# Altium PCB 拼板.PcbDoc (part 1 of 2) (continued)
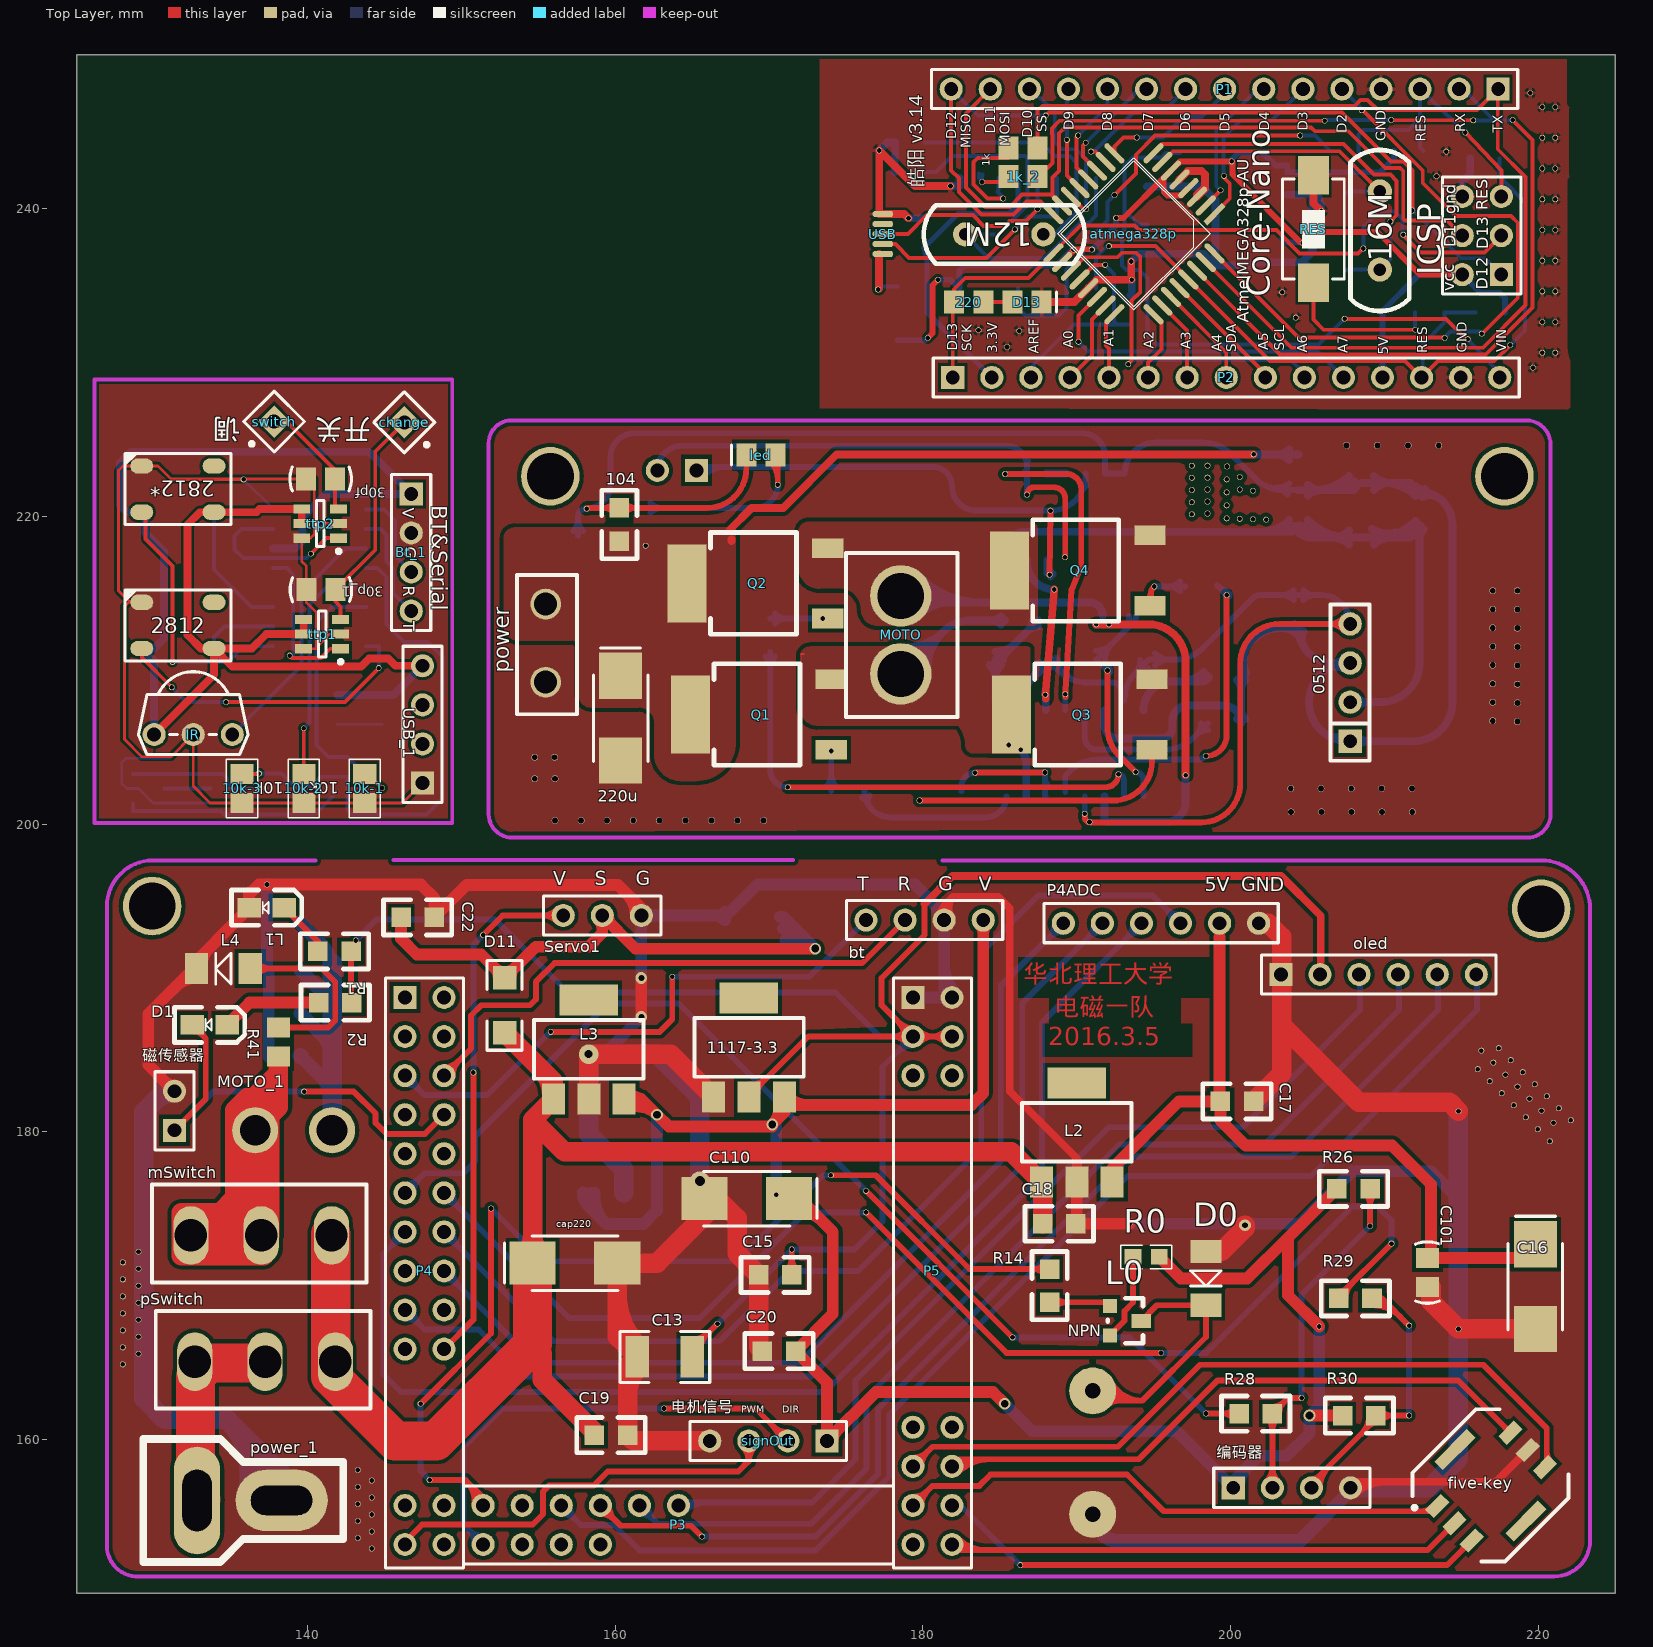
[diagram p0: Top Layer view]
## Footprints (in the part's own frame and the unit in brackets; to place one, negate y for a bottom-side part, rotate by r counter-clockwise, add the part's x,y. Pads: shape width x height; smd on the part's side, far side on the other; paste and mask are expansions set on the pad) (continued)
PNP [mil]
  rect 36x50 smd: 1(0,0)
  rect 36x36 smd: 2(-38,-80) 3(37,-80)
  silkscreen extent -58,-85 57,5
POWER2SS [mm]
  round 4 hole 3: 1(0,0.127) 2(5.08,0.127)
  silkscreen extent -2.79,-3.43 7.87,3.81
SIP4 [mil]
  rect 60x60 hole 35: 1(0,0)
  round 60 hole 35: 2(100,0) 3(200,0) 4(300,0)
  silkscreen extent -50,-50 350,51
SO-14 [mil]
  oval 80x24 smd: 1(-5,0) 2(-5,-50) 3(-5,-100) 4(-5,-150) 5(-5,-200) 6(-5,-250) 7(-5,-300) 8(215,-300) 9(215,-250) 10(215,-200) 11(215,-150) 12(215,-100) 13(215,-50) 14(215,0)
  silkscreen extent 55,-325 155,25
SO-16 [mil]
  oval 80x24 smd: 1(0,0) 2(0,-50) 3(0,-100) 4(0,-150) 5(0,-200) 6(0,-250) 7(0,-300) 8(0,-350) 9(220,-350) 10(220,-300) 11(220,-250) 12(220,-200) 13(220,-150) 14(220,-100) 15(220,-50) 16(220,0)
  silkscreen extent 60,-375 160,25
sop16(2003) [mm] "Small Outline; 16 Leads; Body Width 5.6 mm;"
  rect 0.6x2.2 smd: 1(-4.445,-3.6) 2(-3.175,-3.6) 3(-1.905,-3.6) 4(-0.635,-3.6) 5(0.635,-3.6) 6(1.905,-3.6) 7(3.175,-3.6) 8(4.445,-3.6) 9(4.445,3.6) 10(3.175,3.6) 11(1.905,3.6) 12(0.635,3.6) 13(-0.635,3.6) 14(-1.905,3.6) 15(-3.175,3.6) 16(-4.445,3.6)
  silkscreen extent -5.73,-3.72 5.73,2.1
SOP-16 [mil]
  oval 80x24 smd: 1(0,0) 2(0,-50) 3(0,-100) 4(0,-150) 5(0,-200) 6(0,-250) 7(0,-300) 8(0,-350) 9(238.5,-350) 10(238.5,-300) 11(238.5,-250) 12(238.5,-200) 13(238.5,-150) 14(238.5,-100) 15(238.5,-50) 16(238.5,0)
  silkscreen extent 44,-375 194,25
SOT23-6 [mm] "Max4173"
  rect 1.1x0.6 smd: 1(-1.2,0.95) 2(-1.2,0) 3(-1.2,-0.95) 4(1.2,-0.95) 5(1.2,0) 6(1.2,0.95)
  silkscreen extent -1.33,-1.5 0.25,1.92, body extent -0.87,-1.5 0.87,1.5, height 1.45
SOT223 [mil]
  rect 59x79 smd: 1(0,0) 2(90.55,0) 3(181.1,0)
  rect 150x79 smd: 4(89.88,253.54)
  silkscreen extent -49,52 231,202
SOT-23 [mil]
  rect 36x36 smd: 1(0,0) 2(75,0)
  rect 36x50 smd: 3(38,80)
  silkscreen extent -20,-5 95,85
SW_PB2_A1 [mm]
  rect 2x2.5 smd: 1(0,3.556) 2(0,-3.444)
  silkscreen extent -2,-3.19 2,3.31, body extent -2.03,-3.18 2.03,3.3, height 1.2
T_head [mm]
  rrect100% 4x6 hole 1.905 slot 4 at 90 deg: 1(0,0)
  rrect100% 7x3 hole 1.905 slot 4 at 0 deg: 2(0,5.5)
  silkscreen extent -4,-4 4,9, body extent -3.72,-3.47 3.58,8.53, height 14.1
TO-252#1 [mil]
  rect 50x80 smd: 1(0,0) 3(180,0)
  rect 200x100 smd: 2(90,360)
  silkscreen extent -40,80 220,300
TO-252#2 [mil]
  rect 55.12x78.74 smd: 1(0,0) 3(182,0)
  rect 275.59x354.33 smd: 2(90.55,287.4)
  silkscreen extent -68,60 246,296
TQFP32 [mm]
  rect 1.7x0.37 smd: 1(-3.781,2.422)
  oval 1.7x0.37 smd: 2(-3.781,1.622) 3(-3.781,0.822) 4(-3.781,0.022) 5(-3.781,-0.778) 6(-3.781,-1.578) 7(-3.781,-2.378) 8(-3.781,-3.178) 17(5.419,-3.178) 18(5.419,-2.378) 19(5.419,-1.578) 20(5.419,-0.778) 21(5.419,0.022) 22(5.419,0.822) 23(5.419,1.622) 24(5.419,2.422)
  oval 0.37x1.7 smd: 9(-1.981,-4.978) 10(-1.181,-4.978) 11(-0.381,-4.978) 12(0.419,-4.978) 13(1.219,-4.978) 14(2.019,-4.978) 15(2.819,-4.978) 16(3.619,-4.978) 25(3.619,4.222) 26(2.819,4.222) 27(2.019,4.222) 28(1.219,4.222) 29(0.419,4.222) 30(-0.381,4.222) 31(-1.181,4.222) 32(-1.981,4.222)
  silkscreen extent -2.68,-3.88 4.32,3.12
USB_MICRO [mm]
  oct 0.4x1.35 smd: 1(-1.325,2.54) 2(-0.675,2.54) 3(-0.025,2.54) 4(0.625,2.54) 5(1.275,2.54)
VIA_2_POWER [mm]
  round 2 hole 1.5: 1(-2.515,0.076) 2(2.565,0.076)
  silkscreen extent -4.6,-1.96 4.44,1.93
WS2812 [mm]
  oval 1.5x1 smd: 1(-10,5) 2(-10,2) 3(-5.3,2) 4(-5.3,5)
  silkscreen extent -11.1,1.2 -4.2,5.8
XTAL [mil]
  round 62 hole 32: 1(5,0) 2(205,0)
  silkscreen extent -101,-75 311,75
五向按键 [mm]
  rect 0.8x1.45 smd: 1(-3.17,-0.889) 2(-1.585,-0.889) 3(0,-0.889) 4(0,5.842) 5(-1.585,5.842) 6(-3.17,5.842)
  rect 0.8x3 smd: 7(-4.953,2.515) 8(1.6,2.489)
  silkscreen extent -5.84,-2.13 2.49,6.59
开关1 [mil]
  oval 90x150 hole 83: 1(-10,-120) 2(170,-120) 3(350,-120)
  silkscreen extent -100,-250 450,0

## Part data
0.01uf 0.1uf 0.1uf_1 0.1uf_2 0.1uf_3 4.7uf 22p 22p_2 30p 30p2 30pf: "Capacitor"
1k 1k_2 1k_3 10K 10k-1 10K_2 220: "Resistor"
2.2uf 10uf 10uf_1 10uf_2 C16: "Polarized Capacitor (Radial)"
10k-2 10k-3: library part Res2, "Resistor"
30p_1: library part Cap, "Capacitor"
100u C110: "Polarized Capacitor (Axial)"
104 105 a0.1u b0.1u c0.1u: library part C
2812 2812* 2812** 2812***: library part BRIDGE2, "Diode Bri"
Bt_1: library part "Header 4", "Header, 4-Pin"
C13: "Polarized Capacitor"
C14 C15 C22: library part Cap, "C"
C17 C18: "C"
C21: library part "Cap Pol1", "Polarized Capacitor (Radial)"
C101: "无?"
D0: "二极"
D1: "Typical INFRARED"
D11: library part "Diode BAT18", "Low-Loss RF Switchi"
D13: "发?"
DIODE: "二?"
ICSP: "Header, 3-Pin, Dual row"
IR: "Header, 3-Pin"
N5819 N5819*: library part "Diode 1N4934", "1 Amp Fast Recove"
oled: "Header, 6-Pin"
P1 P2: "Header, 15-Pin"
P4ADC 磁传感器: "接插件"
Q1 Q2 Q3 Q4: library part NMOS-2, "N-Channel Power MOSFET"
q1_1 q2_1 q3_1: "低功耗M"
R0: "贴片"
R2: library part Res2
RES: "΢?"
Servo1: library part "Header 3", "Header, 3-Pin"
SignIN1: "Header, 2-Pin"
STC15W202S: "Header, 8-Pin, Dual r"
ttp1 ttp2: library part "Header 3X2", "Header, 3-Pin, Dual row"
USB: "MicroUSB½Ó¿"
USB_1: "Header, 4-Pin"

## Free pads (board coordinates)
  round 0.381 hole 0.305: 0(134.696,207.924) 0(161.976,218.084) 0(220.269,230.632) 0(221.107,230.632) 1(131.166,208.89) 1(170.561,222.047) 1(220.269,232.629) 1(221.107,232.629) 2(158.14,220.497) 2(220.269,234.626) 2(221.107,234.626) 3(180.975,235.382) 3(220.269,236.623) 3(221.107,236.623) 4(127.991,171.501) 4(129.007,172.187) 4(143.256,158.001) 4(144.17,157.315) 4(180.315,231.597) 4(216.072,184.065) 4(216.305,185.269) 4(217.437,185.43) 4(220.269,238.62) 4(221.107,238.62) 5(127.991,170.396) 5(129.007,171.082) 5(143.256,156.896) 5(144.17,156.21) 5(197.485,223.291) 5(198.501,223.298) 5(199.771,223.247) 5(201.498,224.028) 5(208.534,246.405) 5(216.853,183.284) 5(217.087,184.487) 5(218.218,184.649) 5(220.269,240.617) 5(221.107,240.617) 6(127.991,169.291) 6(129.007,169.977) 6(143.256,155.791) 6(144.17,155.105) 6(195.047,215.443) 6(197.485,220.924) 6(197.485,222.502) 6(198.501,220.962) 6(198.501,222.519) 6(199.746,222.402) 6(215.265,244.958) 6(217.635,182.503) 6(217.868,183.706) 6(219,183.868) 6(220.269,242.614) 6(221.107,242.614) 7(127.991,168.186) 7(129.007,168.872) 7(143.256,154.686) 7(144.17,154) 7(197.485,220.135) 7(197.485,221.713) 7(198.399,204.419) 7(198.501,220.183) 7(198.501,221.741) 7(199.746,221.558) 7(210.439,245.77) 7(218.416,181.721) 7(218.649,182.925) 7(219.781,183.086) 7(220.269,244.612) 7(221.107,244.612) 8(127.991,167.081) 8(129.007,167.767) 8(143.256,153.581) 8(144.17,152.895) 8(199.746,214.884) 8(199.746,220.713) 8(215.773,245.745) 8(219.197,180.94) 8(219.431,182.143) 8(220.269,246.609) 8(220.562,182.305) 8(221.107,246.609) 9(127.991,165.976) 9(129.007,166.662) 9(185.471,231.013) 9(193.904,244.627) 9(199.746,219.869) 9(219.978,180.159) 9(220.212,181.362) 9(221.343,181.524) 10(127.991,164.871) 10(129.007,165.557) 10(186.258,232.054) 10(187.935,203.352) 10(192.456,240.894) 10(200.601,222.555) 10(220.76,179.377) 10(220.993,180.581) 10(222.125,180.742) 11(183.388,203.327) 11(183.617,232.105) 11(193.345,229.895) 11(200.601,221.742) 11(204.521,244.754) 12(179.781,201.524) 12(201.456,221.666) 12(203.352,234.569) 12(207.416,232.842) 13(190.119,231.343) 13(191.999,209.982) 13(200.601,219.837) 13(204.241,232.918) 14(193.827,203.378) 14(201.456,219.812) 14(213.385,242.113) 14(215.417,231.521) 14(218.186,231.14) 15(192.71,203.225) 15(202.311,219.786) 15(214.02,243.713) 15(216.332,231.877) 15(218.338,245.77) 16(171.221,202.387) 16(213.919,231.597) 16(219.659,229.667) 17(173.482,213.36) 17(219.481,247.523) 18(192.1,212.979) 18(208.636,237.414) 19(197.079,203.175) 19(211.226,238.303) 21(190.83,200.127) 22(174.041,204.749) 23(190.525,200.66) 25(185.572,205.13) 26(186.36,204.826) 27(187.96,208.407) 29(191.262,212.979) 30(188.544,215.24) 31(189.255,208.432) 32(185.344,222.758) 33(188.239,216.205) 34(188.29,220.37) 35(186.766,221.412) 36(189.243,217.348)
  round 0.432 hole 0.381: 0(217.043,215.163) 5(217.043,213.955) 6(217.043,212.747) 7(217.043,211.538) 8(217.043,210.33) 9(217.043,209.122) 10(217.043,207.914) 11(217.043,206.705) 12(218.643,215.163) 13(218.643,213.948) 14(218.643,212.732) 15(218.643,211.517) 16(218.643,210.301) 17(218.643,209.086) 18(218.643,207.87) 19(218.643,206.654) 20(203.911,202.311) 21(205.88,202.311) 22(207.848,202.311) 23(209.817,202.311) 24(211.785,202.311) 25(203.937,200.787) 26(205.905,200.787) 27(207.874,200.787) 28(209.842,200.787) 29(211.811,200.787) 30(207.543,224.612) 31(209.542,224.612) 32(211.54,224.612) 33(213.538,224.612) 34(156.083,200.228) 35(157.778,200.228) 36(159.474,200.228) 37(161.169,200.228) 38(162.865,200.228) 39(164.56,200.228) 40(166.256,200.228) 41(167.951,200.228) 42(154.762,204.343) 43(156.058,204.343) 44(154.762,202.946) 45(156.083,202.946) 46(169.647,200.228)
  round 3.81 hole 3.048: ""(129.896,194.666) ""(155.778,222.606) ""(217.805,222.606) ""(220.193,194.488)

## Via types
v1: diameter 0.381, hole 0.305, Top Layer to Bottom Layer, 68 vias
v2: diameter 0.762, hole 0.508, Top Layer to Bottom Layer, 5 vias
v3: diameter 0.762, hole 0.381, Top Layer to Bottom Layer, 3 vias
v4: diameter 0.508, hole 0.305, Top Layer to Bottom Layer, 1 vias
v5: diameter 1.27, hole 0.635, Top Layer to Bottom Layer, 1 vias
v6: diameter 1.27, hole 0.508, Top Layer to Bottom Layer, 1 vias

## Nets (pads, with @x,y where several pads share a name; then routed paths per layer and width w, separated by ;. In a path a pad name is that pad's centre, name@x,y a point inside that pad or via, vN(x,y) a via of type N, cw(c..) or ccw(c..) an arc to the next point about the centre after c; other vN are vias at no path point)
3.3V: 0.01uf.2 ch340g.4 P2.2 | length 19.2
  Bottom Layer w0.33: P2.2@184.48,229.032 180.26,233.252 180.26,236.618 0.01uf.2@180.086,237.48 182.306,239.7 185.572,239.7 186.182,240.309 ch340g.4@186.182,242.004
A0: atmega328p.23 P2.4 | length 5.6
  Top Layer w0.254: P2.4@189.56,229.032 190.983,230.454 190.983,232.791 191.879,233.688 atmega328p.23@191.879,233.705
A1: atmega328p.24 P2.5 | length 4.4
  Top Layer w0.254: P2.5@192.1,229.032 192.1,230.911 191.897,231.115 191.897,232.592 atmega328p.24@192.445,233.139
A2: atmega328p.25 P2.6 | length 4.7
  Top Layer w0.254: P2.6@194.64,229.032 194.64,229.997 195.504,230.861 195.504,232.626 atmega328p.25@194.99,233.139
A3: atmega328p.26 P2.7 | length 5.3
  Top Layer w0.254: atmega328p.26@195.556,233.704 197.18,232.08 P2.7@197.18,229.032
A4: atmega328p.27 P2.8 | length 6.7
  Top Layer w0.254: atmega328p.27@196.122,234.271 196.122,234.256 199.72,230.657 P2.8@199.72,229.032
A5: atmega328p.28 P2.9 | length 8.1
  Top Layer w0.254: atmega328p.28@196.687,234.836 196.687,234.833 202.26,229.26 P2.9@202.26,229.032
A6: atmega328p.19 P2.10 pad.11@193.345,229.895 | length 24.6
  Top Layer w0.254: atmega328p.19@189.616,235.968 189.638,235.968 190.513,236.842 192.659,236.842 192.951,237.134 193.853,237.134 194.132,236.855 194.132,234.594 193.573,234.036 193.573,230.124 pad.11@193.345,229.895
  Bottom Layer w0.254: pad.11@193.345,229.895 193.624,230.175 203.911,230.175 204.8,229.286 P2.10@204.8,229.032
A7: atmega328p.22 P2.11 pad.13@190.119,231.343 | length 21.6
  Top Layer w0.254: pad.13@190.119,231.343 190.119,233.07 191.313,234.265 atmega328p.22@191.313,234.271
  Bottom Layer w0.254: pad.13@190.119,231.343 190.754,230.708 205.664,230.708 P2.11@207.34,229.032
AREF: 0.1uf_2.2 atmega328p.20 P2.3 | length 14.5
  Top Layer w0.254: atmega328p.20@190.182,235.402 191.127,236.347 v1(191.846,236.347)
  Bottom Layer w0.254: P2.3@187.02,229.032 187.02,229.692 189.804,232.476 192.634,232.476 ; v1(191.846,236.347) 192.43,235.763 192.43,232.679 192.634,232.476 ; 0.1uf_2.2@193.497,232.476 192.634,232.476
D2: atmega328p.32 P1.5 pad.5@208.534,246.405 pad.15@216.332,231.877 pad.16@213.919,231.597 | length 43.6
  Top Layer w0.254: atmega328p.32@198.95,237.099 204.427,231.623 213.843,231.623 pad.16@213.893,231.572 ; pad.5@208.585,246.405 212.496,242.494 212.496,241.681 214.655,239.522 218.237,239.522 218.669,239.09 218.669,234.188 pad.15@216.383,231.902
  Bottom Layer w0.254: P1.5@207.239,247.777 208.534,246.482 pad.5@208.534,246.405 ; pad.16@213.868,231.597 214.287,232.016 216.192,232.016 pad.15@216.332,231.877
D3: atmega328p.1 P1.6 | length 12.1
  Top Layer w0.254: atmega328p.1@198.95,239.645 198.95,239.666 199.949,240.665 199.949,241.63 199.568,242.011 v1(199.568,242.138)
  Bottom Layer w0.254: v1@199.542,242.113 199.542,244.678 199.568,244.678 200.635,245.745 202.667,245.745 P1.6@204.699,247.777
D4: atmega328p.2 P1.7 | length 9.6
  Top Layer w0.254: atmega328p.2@198.385,240.21 199.347,241.173 v1(199.347,241.198)
  Bottom Layer w0.254: v1(199.347,241.198) 199.072,241.473 199.072,245.084 201.766,247.777 P1.7@202.159,247.777
D5: atmega328p.9 P1.8 pad.9@193.904,244.627 | length 9.3
  Top Layer w0.254: atmega328p.9@192.445,243.605 192.445,244.032 193.04,244.627 pad.9@193.904,244.627
  Bottom Layer w0.254: pad.9@193.904,244.627 195.605,244.627 196.952,245.974 198.12,245.974 199.619,247.472 P1.8@199.619,247.777
D6: atmega328p.10 P1.9 | length 9.1
  Top Layer w0.254: v1(190.932,243.713) 191.237,243.713 191.879,243.07 atmega328p.10@191.879,243.039
  Bottom Layer w0.254: v1(190.932,243.713) 191.135,243.713 193.878,246.456 195.758,246.456 P1.9@197.079,247.777
D7: atmega328p.11 P1.10 | length 7.7
  Top Layer w0.254: v1(190.589,244.284) 190.411,244.107 190.411,243.395 191.313,242.493 atmega328p.11@191.313,242.473
  Bottom Layer w0.254: v1(190.589,244.284) 194.081,247.777 P1.10@194.539,247.777
D8: atmega328p.12 P1.11 | length 7.6
  Top Layer w0.254: v1@189.979,244.657 189.979,242.676 atmega328p.12@190.748,241.908 ; v1(190.094,244.754) v1@190.119,244.78
  Bottom Layer w0.254: v1@190.119,244.78 v1(190.094,244.754) 191.999,246.659 P1.11@191.999,247.777 P1.11@191.376,247.777
D9: atmega328p.13 P1.12 | length 7.1
  Top Layer w0.254: v1@189.306,244.475 189.384,244.475 189.357,244.502 189.357,242.167 atmega328p.13@190.182,241.342
  Bottom Layer w0.254: v1@189.306,244.475 189.384,244.475 189.357,244.502 189.357,247.675 P1.12@189.459,247.777
  other v1: 189.357,244.475
D10: atmega328p.14 P1.13 | length 11.2
  Top Layer w0.254: atmega328p.14@189.616,240.776 189.627,240.776 190.424,239.979 v1(190.602,239.979)
  Bottom Layer w0.254: P1.13@186.919,247.777 188.57,246.342 188.57,244.348 189.052,243.865 189.967,243.865 190.602,243.23 v1(190.602,239.979)
D11: atmega328p.15 ICSP.5 P1.14 | length 50.2
  Top Layer w0.254: P1.14@184.379,247.777 182.804,246.202 182.804,241.376 184.074,240.106 185.649,240.106 186.455,240.912 188.322,240.912 189.024,240.21 atmega328p.15@189.051,240.21 ; atmega328p.15@188.747,240.563 188.417,240.894 188.417,242.023 188.849,242.455 188.849,244.232 188.849,244.907 189.23,245.288 205.232,245.288 205.486,245.034 207.671,245.034 210.059,242.646 211.023,242.646 211.226,242.443 211.226,239.332 211.328,239.231 214.083,239.231 ICSP.5@215.062,238.252
D12: atmega328p.16 ICSP.1 P1.15 | length 56.8
  Top Layer w0.254: P1.15@181.839,247.777 181.839,242.494 182.347,241.986 182.347,241.097 183.426,240.017 ; 183.427,240.017 183.821,239.624 185.877,239.624 186.734,240.48 187.657,240.48 187.947,240.19 187.947,240.17 188.472,239.645 atmega328p.16@188.485,239.645 ; v1(187.985,246.05) 188.188,246.253 207.247,246.253 210.422,243.078 211.252,243.078 211.836,242.494 211.836,239.903 v1(211.811,239.878)
  Bottom Layer w0.254: P1.15@181.839,247.777 183.566,246.05 v1(187.985,246.05) ; v1(211.811,239.878) 211.887,239.878 214.986,236.779 216.535,236.779 ICSP.1@217.602,235.712
D13: 220.2 atmega328p.17 ICSP.2 P2.1 pad.18@208.636,237.414 pad.19@211.226,238.303 | length 47.9
  Top Layer w0.254: P2.1@181.94,229.032 181.94,233.843 220.2@182.032,233.934 182.032,234.762 182.753,235.483 186.869,235.483 atmega328p.17@188.485,237.099 188.509,237.099 188.991,237.581 188.991,237.657 190.233,238.9 193.762,238.9 194.054,238.608 202.982,238.608 204.493,237.096 208.293,237.096 pad.18@208.585,237.388 ; pad.19@211.188,238.315 212.344,237.16 216.51,237.16 ICSP.2@217.602,238.252
  Bottom Layer w0.254: pad.18@208.636,237.414 208.636,238.811 209.652,239.827 210.668,239.827 211.176,239.319 pad.19@211.176,238.303
GND: 0.01uf.1 0.1uf_2.1 0.1uf_3.2 2.2uf.2 4.7uf.2 10uf.2 10uf_2.2 22p.2 22p_2.2 30p2.1 30p.1 ?.2 atmega328p.3 atmega328p.5 atmega328p.21 ch340g.1 D13.2 ICSP.6 P1.4 P2.14 pad.0@220.269,230.632 pad.0@221.107,230.632 pad.1@220.269,232.629 pad.1@221.107,232.629 pad.2@220.269,234.626 pad.2@221.107,234.626 pad.3@220.269,236.623 pad.3@221.107,236.623 pad.4@220.269,238.62 pad.4@221.107,238.62 pad.5@220.269,240.617 pad.5@221.107,240.617 pad.6@220.269,242.614 pad.6@221.107,242.614 pad.7@220.269,244.612 pad.7@221.107,244.612 pad.8@220.269,246.609 pad.8@221.107,246.609 pad.9@185.471,231.013 pad.10@186.258,232.054 pad.11@183.617,232.105 pad.12@203.352,234.569 pad.13@204.241,232.918 pad.14@213.385,242.113 pad.15@214.02,243.713 pad.16@219.659,229.667 pad.17@219.481,247.523 RES.2 USB.5 | length 66.5
  Top Layer w0.508: v1(179.06,239.38) 178.786,239.654 USB.5@177.394,239.654 177.165,239.654 v1(177.165,243.789) 179.476,241.478 v1(181.788,241.478) ; D13.2@187.716,233.934 189.845,233.934 atmega328p.21@190.748,234.836 191.293,235.382 v1(193.573,235.382) 193.548,235.407 v1(193.548,236.574) ; atmega328p.5@196.687,241.908 197.223,242.443 198.12,242.443 198.349,242.214 198.349,241.433 ; RES.2@205.384,242.179 205.384,240.36 v1(205.892,239.852) ; 198.349,241.433 197.819,240.903 atmega328p.3@197.819,240.776 197.825,240.776 198.349,241.3 198.349,241.433
  Bottom Layer w0.508: v1(177.165,243.789) 177.673,244.297 30p.1@178.196,244.297 178.196,243.357 178.171,243.332 30p2.1@178.171,242.392 ; v1(179.06,239.38) 0.01uf.1@180.086,239.38 ; v1(181.788,241.478) 182.372,241.478 ch340g.1@182.372,242.004 ; 0.1uf_2.1@193.497,234.376 193.573,234.376 v1(193.573,235.382) ; v1(193.548,236.574) 193.572,236.574 194.071,237.073 198.261,237.073 ?.2@199.023,236.311 ; 2.2uf.2@194.564,241.442 198.138,241.442 199.023,240.557 ?.2@199.023,236.311 ; 0.1uf_3.2@203.683,240.909 204.612,240.909 204.699,240.995 22p_2.2@205.322,240.995 ; 22p.2@205.628,235.966 204.622,236.515 ; v1(205.892,239.852) v1@205.892,239.954 ; ICSP.6@215.062,240.792 215.062,241.757 215.585,242.28 10uf.2@215.585,243.256 ; ?.2@199.023,236.311 201.27,236.311 201.473,236.515 4.7uf.2@203.683,236.515 204.622,236.515 ; 204.622,236.515 205.322,237.214 22p_2.2@205.322,240.995 ; 22p_2.2@205.322,240.995 22p_2.2@205.628,240.995 ; 22p_2.2@205.628,240.995 205.628,240.218 v1@205.892,239.954 ; 22p_2.2@205.628,240.995 205.892,240.195 v1@205.892,239.954
Net0.1uf_2: 0.1uf.2 ch340g.13 pad.10@192.456,240.894 pad.11@204.521,244.754 | length 30.1
  Top Layer w0.254: pad.10@192.456,240.894 193.853,242.291 193.853,243.51 195.097,244.754 pad.11@204.521,244.754
  Bottom Layer w0.254: ch340g.13@186.182,234.804 186.182,233.528 186.665,233.045 188.849,233.045 189.332,233.528 189.332,236.017 ; 189.357,236.068 190.398,237.109 190.398,237.63 191.999,239.23 191.999,240.436 pad.10@192.456,240.894 ; pad.11@204.521,244.754 205.486,244.754 0.1uf.2@206.451,243.789
Net1k_1: 1k.1 ch340g.3 | length 8.2
  Top Layer w0.254: v1@185.268,240.665 184.201,240.665 183.286,241.579 183.286,243.027 183.566,243.307 185.562,243.307 1k.1@185.562,243.942
  Bottom Layer w0.254: ch340g.3@184.836,241.097 185.217,240.716 v1(185.217,240.665) ; ch340g.3@184.912,241.198 ch340g.3@184.912,242.004
Net1k_2_1: 1k_2.1 ch340g.2 | length 2.9
  Top Layer w0.254: v1(183.845,241.732) 185.217,241.732 185.562,242.077 1k_2.1@185.562,242.291
  Bottom Layer w0.254: ch340g.2@183.642,242.004 ch340g.2@183.642,242.291 ; v1(183.845,241.732) 183.845,242.189 ch340g.2@183.871,242.214
Net1k_3_1: 1k_3.1 RES.1 | length 10.4
  Top Layer w0.254: RES.1@205.384,235.179 205.384,232.791 206.045,232.131 v1(212.004,232.131)
  Bottom Layer w0.254: v1(212.004,232.131) 1k_3.1@212.004,233.248
Net12M_1: 12M.1 30p.2 ch340g.7 | length 16.5
  Bottom Layer w0.254: 30p.2@180.096,244.297 187.681,244.297 188.554,243.423 189.546,243.423 189.992,242.977 ch340g.7@189.992,242.004 189.992,239.751 188.493,238.252 187.909,238.252 12M.1@187.833,238.328
Net12M_2: 12M.2 30p2.2 ch340g.8 | length 27.8
  Bottom Layer w0.254: 30p2.2@180.071,242.392 180.848,242.392 181.889,243.434 186.639,243.434 186.792,243.281 186.792,240.233 184.887,238.328 12M.2@182.753,238.328 184.277,236.804 187.921,236.804 190.207,239.09 190.8,239.09 191.262,239.553 ch340g.8@191.262,242.004
Net16M_1: 16M.1 22p_2.1 atmega328p.7 | length 17.7
  Top Layer w0.254: atmega328p.7@195.556,243.039 195.967,243.45 196.251,243.733 207.091,243.733 16M.1@209.702,241.122
  Bottom Layer w0.254: 22p_2.1@207.528,240.995 207.655,241.122 16M.1@209.702,241.122
Net16M_2: 16M.2 22p.1 atmega328p.8 | length 25
  Top Layer w0.254: atmega328p.8@195.402,243.942 195.402,244.043 195.555,244.196 207.333,244.196 209.314,242.214 210.388,242.214 210.795,241.808 210.795,239.573 v1(210.388,239.166)
  Bottom Layer w0.254: 22p.1@207.528,235.966 207.604,236.042 16M.2@209.702,236.042 210.388,236.728 v1(210.388,239.166)
Net220_1: 220.1 D13.1 | length 1.9
  Top Layer w0.254: 220.1@183.932,233.934 D13.1@185.816,233.934
Netch340g_5: ch340g.5 USB.3 | length 13.3
  Top Layer w0.254: USB.3@177.394,238.354 179.019,238.354 180.251,239.585 183.248,239.585 183.947,238.887 185.344,238.887 185.611,239.154 ; 185.623,239.192 186.69,239.192 v1@187.452,239.954
  Bottom Layer w0.254: v1(187.452,239.985) ch340g.5@187.452,242.004
Netch340g_6: ch340g.6 USB.2 | length 15.3
  Top Layer w0.254: USB.2@177.394,237.704 178.206,237.704 179.106,236.804 184.125,236.804 v1(185.979,238.658)
  Bottom Layer w0.254: v1(185.979,238.658) 186.817,239.497 187.24,239.497 187.247,239.49 188.588,239.49 188.722,239.624 ch340g.6@188.722,242.004
NetDIODE_1: DIODE.1 USB.1 | length 4
  Top Layer w0.254: v1(177.089,234.747) v1@177.14,234.798 ; USB.1@177.14,237.054 USB.1@177.394,237.054
  Top Layer w0.508: v1@177.14,234.798 USB.1@177.14,237.054
  Bottom Layer w0.254: v1(177.089,234.747) 177.089,234.848 177.19,234.95 DIODE.1@178.359,234.95
RESET: 0.1uf.1 1k_3.2 10K.2 10K_2.1 10uf.1 atmega328p.29 ch340g.9 ICSP.3 P1.3 P2.13 pad.6@215.265,244.958 pad.14@218.186,231.14 | length 75.8
  Top Layer w0.254: v1(192.088,237.566) 195.123,237.566 197.253,235.436 atmega328p.29@197.253,235.402 197.261,235.402 202.565,230.099 211.353,230.099 P2.13@212.42,229.032 213.487,230.099 216.841,230.099 ; pad.6@215.265,244.958 217.602,242.494 ICSP.3@217.602,240.792 ; 216.866,230.124 216.841,230.099 ; pad.14@218.186,231.14 217.145,230.099 216.841,230.099
  Bottom Layer w0.254: ch340g.9@191.262,234.804 191.262,236.842 191.986,237.566 v1(192.088,237.566) ; 0.1uf.1@208.316,243.713 208.316,244.815 208.61,245.11 211.557,245.11 212.319,245.872 P1.3@212.319,247.777 ; P2.13@212.42,229.032 212.496,229.108 212.496,231.191 213.904,232.598 1k_3.2@213.904,233.248 10K_2.1@215.941,233.248 ; 10K.2@212.532,243.764 212.319,243.977 P1.3@212.319,247.777 ; pad.6@215.265,244.958 P1.3@212.319,247.777 ; 10uf.1@217.485,243.256 217.485,242.077 217.602,241.96 ; ICSP.3@217.602,240.792 217.602,241.96 ; pad.14@218.161,231.089 219.151,232.08 219.151,240.411 217.602,241.96
RX: 1k_2.2 atmega328p.30 P1.2 pad.7@210.439,245.77 pad.8@215.773,245.745 pad.15@218.338,245.77 | length 75.1
  Top Layer w0.254: 1k_2.2@187.462,242.087 187.462,242.367 187.807,242.367 188.417,242.976 188.417,244.053 188.417,244.818 188.379,244.856 188.379,245.224 188.874,245.72 v1(206.121,245.72) ; atmega328p.30@197.819,235.968 197.819,235.937 203.225,230.53 216.588,230.53 219.634,233.576 219.634,244.475 pad.15@218.338,245.77 ; pad.7@210.439,245.77 pad.8@215.773,245.745
  Bottom Layer w0.254: v1(206.121,245.72) 206.172,245.77 pad.7@210.439,245.77 ; P1.2@214.859,247.777 215.113,247.777 217.145,245.745 ; pad.8@215.773,245.745 217.145,245.745 ; pad.15@218.338,245.77 217.145,245.745
TX: 1k.2 atmega328p.31 P1.1 | length 72.6
  Top Layer w0.254: 1k.2@187.462,243.942 187.462,246.4 187.757,246.695 208.087,246.695 208.458,247.066 208.915,247.066 209.575,246.405 216.027,246.405 P1.1@217.399,247.777 217.373,247.752 217.373,243.865 219.177,242.062 219.177,233.73 216.409,230.962 203.956,230.962 atmega328p.31@198.385,236.533
VCC: 0.1uf_3.1 4.7uf.1 10K.1 10K_2.2 ?.3 atmega328p.4 atmega328p.6 atmega328p.18 ch340g.16 DIODE.2 ICSP.4 P2.12 pad.3@180.975,235.382 pad.4@180.315,231.597 | length 82.8
  Top Layer w0.381: pad.4@180.315,231.597 180.619,231.902 180.619,235.026 pad.3@180.975,235.382 ; atmega328p.18@189.051,236.533 atmega328p.18@189.509,236.992 ; atmega328p.18@189.128,236.601 atmega328p.18@189.509,236.982 ; atmega328p.18@189.509,237.007 189.865,237.363 v1@190.983,237.363 ; v1(192.561,239.395) 193.044,239.395 atmega328p.6@195.656,242.008 ; atmega328p.4@197.253,241.342 196.78,240.868 195.885,240.868 195.656,241.097 atmega328p.6@195.656,242.008 ; ICSP.4@215.062,235.712 212.319,235.712 209.55,238.481 205.588,238.481 204.902,237.795 204.572,237.795 200.127,242.24 200.127,243.027 v1(200.076,243.078) 196.723,243.078 196.122,242.477 atmega328p.6@196.122,242.473 ; atmega328p.6@195.656,242.008 atmega328p.6@196.122,242.473 ; atmega328p.6@195.656,242.008 195.656,242.011 196.118,242.473 atmega328p.6@196.122,242.473
  Bottom Layer w0.381: DIODE.2@178.359,231.45 180.167,231.45 pad.4@180.315,231.597 ; pad.3@180.975,235.382 181.795,235.382 ch340g.16@182.372,234.804 182.372,235.991 182.677,236.296 188.671,236.296 v1@189.763,237.388 ; v1(190.986,237.338) 192.561,238.912 v1(192.561,239.395) ; v1(200.076,243.078) 200.076,243.205 200.482,243.611 ?.3@201.346,243.611 202.118,243.611 202.921,242.809 0.1uf_3.1@203.683,242.809 203.683,242.367 209.728,242.367 210.632,243.271 10K.1@210.632,243.764 ; 4.7uf.1@203.352,238.074 203.606,237.82 204.699,237.82 v1(204.699,237.769) ; P2.12@209.88,229.032 209.88,233.35 212.242,235.712 ICSP.4@215.062,235.712 216.256,234.518 217.5,234.518 217.841,234.178 10K_2.2@217.841,233.248
  other v1: 189.789,237.338
VIN: 2.2uf.1 10uf_2.1 ?.1 P2.15 pad.12@207.416,232.842 pad.14@215.417,231.521 | length 43.7
  Top Layer w0.254: pad.12@207.416,232.842 213.995,232.842 215.29,231.546 pad.14@215.494,231.546
  Bottom Layer w0.254: 10uf_2.1@194.589,238.973 194.031,238.973 193.116,239.888 ; ?.1@196.723,243.611 195.783,243.611 195.514,243.342 193.65,243.342 193.116,242.809 193.116,239.888 ; pad.12@207.391,232.842 205.715,231.165 195.224,231.165 194.589,231.8 194.589,235.483 194.058,236.015 193.243,236.015 192.94,236.318 192.94,238.508 193.116,238.684 193.116,239.888 ; pad.14@215.417,231.521 217.449,229.337 P2.15@217.449,229.057
pads on no net: 0.1 0.1uf_1.1 0.1uf_1.2 0.2 1k5.1 1k5.2 1R4.7.1 1R4.7.2 2R4.7.1 2R4.7.2 3R4.7.1 3R4.7.2 4R4.7.1 4R4.7.2 10k-1.1 10k-1.2 10k-2.1 10k-2.2 10k-3.1 10k-3.2 10uf_1.1 10uf_1.2 30p_1.1 30p_1.2 30pf.1 30pf.2 100u.1 100u.2 104.1 104.2 105.1 105.2 220u.1 220u.2 0512.1 0512.2 0512.3 0512.4 1117-3.3.1 1117-3.3.2 1117-3.3.3 1117-3.3.4 2812***.1 2812***.2 2812***.3 2812***.4 2812**.1 2812**.2 2812**.3 2812**.4 2812*.1 2812*.2 2812*.3 2812*.4 2812.1 2812.2 2812.3 2812.4 2940.1 2940.2 2940.3 2940.4 4082.1 4082.2 4082.3 4082.4 4082.5 4082.6 4082.7 4082.8 4082.9 4082.10 4082.11 4082.12 4082.13 4082.14 4082.15 4082.16 a0.1u.1 a0.1u.2 a10K.1 a10K.2 b0.1u.1 b0.1u.2 B1.1 B1.2 b10K.1 b10K.2 bt.1 bt.2 bt.3 bt.4 Bt_1.1 Bt_1.2 Bt_1.3 Bt_1.4 c0.1u.1 c0.1u.2 C13.1 C13.2 C14.1 C14.2 C15.1 C15.2 C16.1 C16.2 C17.1 C17.2 C18.1 C18.2 C19.1 C19.2 C20.1 C20.2 C21.1 C21.2 C22.1 C22.2 C101.1 C101.2 C110.1 C110.2 cap220.1 cap220.2 ch340g.10 ch340g.11 ch340g.12 ch340g.14 ch340g.15 change.1 D0.1 D0.2 D1.1 D1.2 D11.1 D11.2 five-key.1 five-key.2 five-key.3 five-key.4 five-key.5 five-key.6 five-key.7 five-key.8 IR.1 IR.2 IR.3 L0.1 L0.2 L0.3 L1.1 L1.2 L2.1 L2.2 L2.3 L2.4 L3.1 L3.2 L3.3 L3.4 L4.1 L4.2 led.1 led.2 ls02.1 ls02.2 ls02.3 ls02.4 ls02.5 ls02.6 ls02.7 ls02.8 ls02.9 ls02.10 ls02.11 ls02.12 ls02.13 ls02.14 MOTO.1 MOTO.2 MOTO_1.1 MOTO_1.2 mSwitch.1 mSwitch.2 mSwitch.3 N5819*.1 N5819*.2 N5819.1 N5819.2 oled.1 oled.2 oled.3 oled.4 oled.5 oled.6 P3.1 P3.2 P3.3 P3.4 P3.5 P3.6 P3.7 P3.8 P3.9 P3.10 P3.11 P3.12 P3.13 P3.14 P3.15 P3.16 P3.17 P3.18 P3.19 P3.20 P3.21 P3.22 P4.1 P4.2 P4.3 P4.4 P4.5 P4.6 P4.7 P4.8 P4.9 P4.10 P4.11 P4.12 P4.13 P4.14 P4.15 P4.16 P4.17 P4.18 P4.19 P4.20 P4.21 P4.22 P4.23 P4.24 P4.25 P4.26 P4.27 P4.28 P4.29 P4.30 P4ADC.1 P4ADC.2 P4ADC.3 P4ADC.4 P4ADC.5 P4ADC.6 P5.1 P5.2 P5.3 P5.4 P5.5 P5.6 P5.7 P5.8 P5.9 P5.10 P5.11 P5.12 P5.13 P5.14 P5.15 P5.16 P5.17 P5.18 P5.19 P5.20 P5.21 P5.22 P5.23 P5.24 P5.25 P5.26 P5.27 P5.28 P5.29 P5.30 power.1 power.2 power_1.1 power_1.2 pSwitch.1 pSwitch.2 pSwitch.3 Q1.1 Q1.2 Q1.3 q1_1.1 q1_1.2 q1_1.3 Q2.1 Q2.2 Q2.3 q2_1.1 q2_1.2 q2_1.3 Q3.1 Q3.2 Q3.3 q3_1.1 q3_1.2 q3_1.3 Q4.1 Q4.2 Q4.3 R0.1 R0.2 R1.1 R1.2 R2.1 R2.2 R4.1 R4.2 R6.1 R6.2 R9.1 R9.2 R11.1 R11.2 R14.1 R14.2 R26.1 R26.2 R28.1 R28.2 R29.1 R29.2 R30.1 R30.2 R41.1 R41.2 s.1 s.2 s.3 Servo1.1 Servo1.2 Servo1.3 SignIN1.1 SignIN1.2 signOut.1 signOut.2 signOut.3 signOut.4 STC15W202S.1 STC15W202S.2 STC15W202S.3 STC15W202S.4 STC15W202S.5 STC15W202S.6 STC15W202S.7 STC15W202S.8 STC15W202S.9 STC15W202S.10 STC15W202S.11 STC15W202S.12 STC15W202S.13 STC15W202S.14 STC15W202S.15 STC15W202S.16 switch.1 ttp1.1 ttp1.2 ttp1.3 ttp1.4 ttp1.5 ttp1.6 ttp2.1 ttp2.2 ttp2.3 ttp2.4 ttp2.5 ttp2.6 USB.4 USB_1.1 USB_1.2 USB_1.3 USB_1.4 磁传感器.1 磁传感器.2 编码器.1 编码器.2 编码器.3 编码器.4